# KiCad board Wrap030-ITX.kicad_pcb (continued)
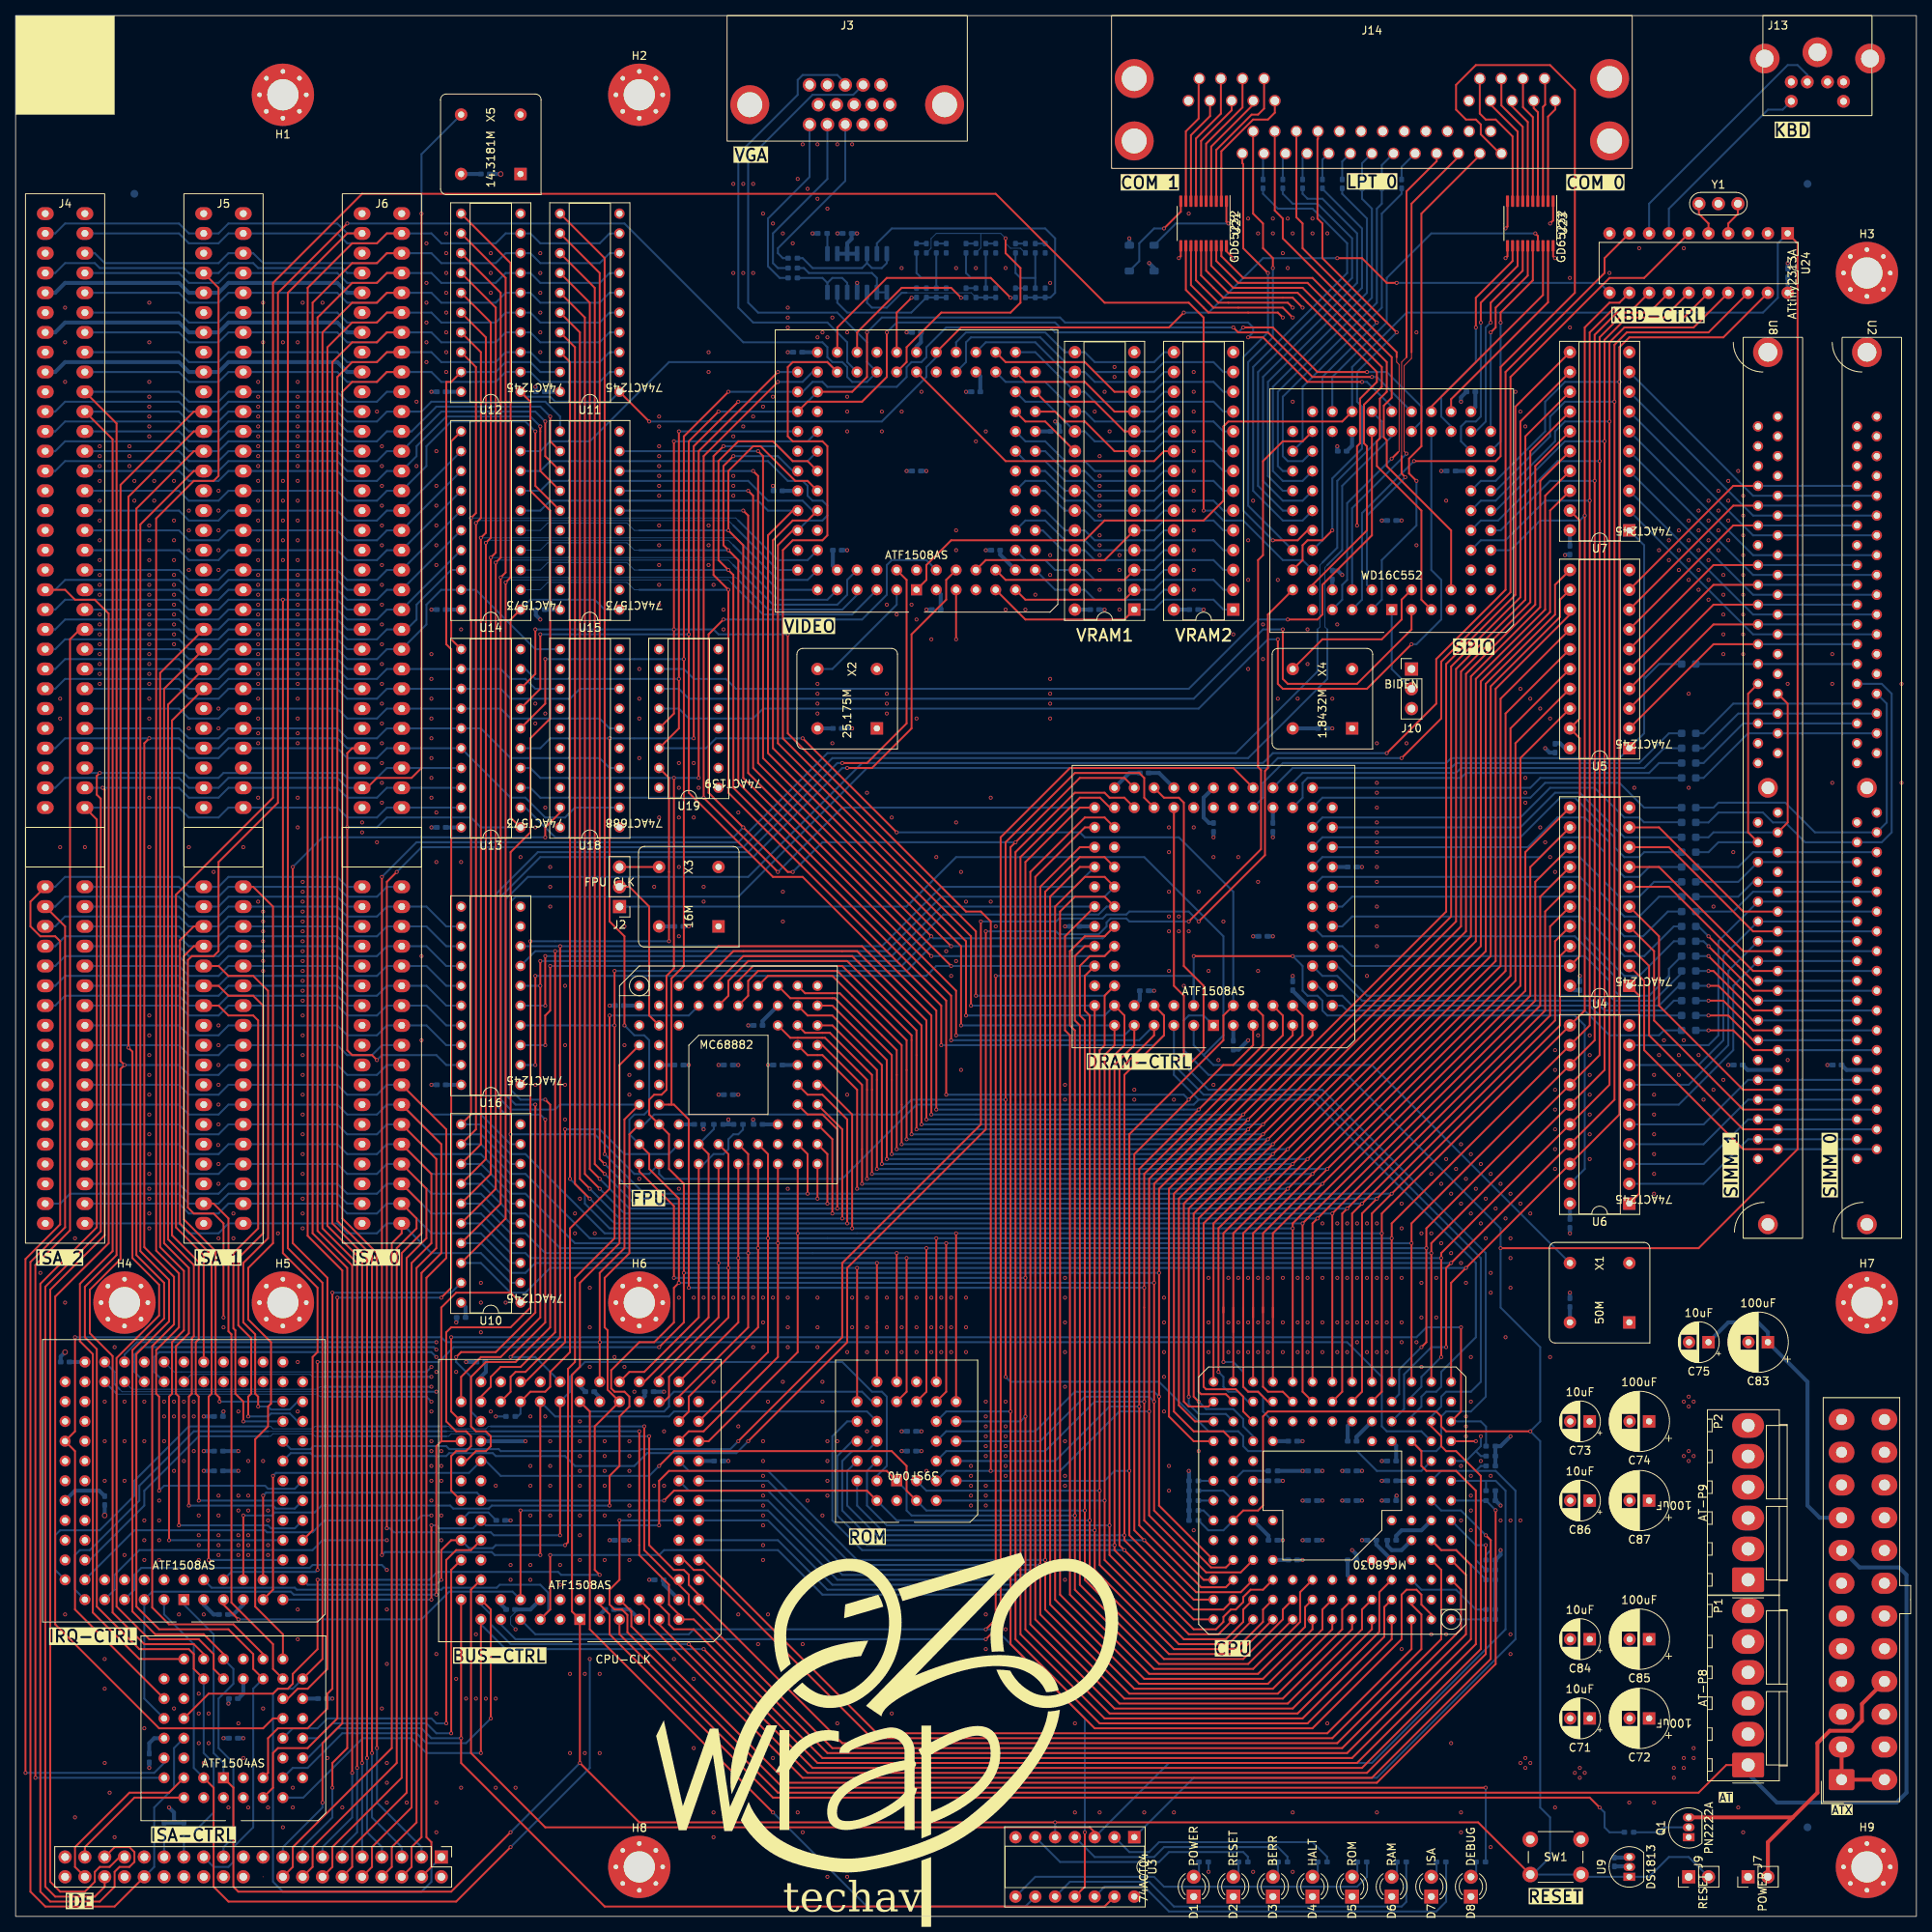
[diagram p0: board, top side]
## Routing (per net, layer and track width the routed paths; a pad name or vN(x,y) marks a point on that pad's centre or on a via; arc(x,y) is an arc through that point) (continued)
/ISA-IDE/ISA-D10: length 162.4
  Top w0.254: IDE0.8 48.26,6.35 48.26,8.89 51.43,12.06 51.43,83.19 53.98,85.72 53.98,97.16 J6.93
  Bottom w0.254: U10.7 63.5,93.98 59.69,97.79 53.34,97.79 J6.93 47.62,101.6 46.35,100.33 42.54,100.33 41.27,101.6 J5.93 27.3,101.6 26.03,100.33 22.23,100.33 20.95,101.6 J4.93
/ISA-IDE/ISA-D11: length 160.4
  Top w0.254: J6.94 53.34,95.25 53.34,86.36 50.8,83.82 50.8,13.97 45.72,8.89 45.72,6.35 IDE0.10
  Bottom w0.254: U10.6 63.5,91.44 59.69,95.25 53.34,95.25 J6.94 47.62,99.06 46.35,97.79 42.54,97.79 41.27,99.06 J5.94 27.3,99.06 26.03,97.79 22.23,97.79 20.95,99.06 J4.94
/ISA-IDE/ISA-D12: length 158.4
  Top w0.254: IDE0.12 43.18,6.35 43.18,8.89 50.16,15.88 50.16,84.46 52.71,87 52.71,93.34 J6.95
  Bottom w0.254: U10.5 63.5,88.9 59.69,92.71 53.34,92.71 J6.95 47.62,96.52 46.35,95.25 42.54,95.25 41.27,96.52 J5.95 27.3,96.52 26.03,95.25 22.23,95.25 20.95,96.52 J4.95
/ISA-IDE/ISA-D13: length 156.4
  Top w0.254: IDE0.14 40.64,6.35 40.64,8.89 49.53,17.78 49.53,85.09 52.07,87.63 52.07,91.44 J6.96
  Bottom w0.254: U10.4 63.5,86.36 59.69,90.17 53.34,90.17 J6.96 47.62,93.98 46.35,92.71 42.54,92.71 41.27,93.98 J5.96 27.3,93.98 26.03,92.71 22.23,92.71 20.95,93.98 J4.96
/ISA-IDE/ISA-D14: length 154.3
  Top w0.254: J6.97 51.43,89.53 51.43,88.27 48.9,85.72 48.9,19.69 38.1,8.89 38.1,6.35 IDE0.16
  Bottom w0.254: U10.3 63.5,83.82 59.69,87.63 53.34,87.63 J6.97 47.62,91.44 46.35,90.17 42.54,90.17 41.27,91.44 J5.97 27.3,91.44 26.03,90.17 22.23,90.17 20.95,91.44 J4.97
/ISA-IDE/ISA-D15: length 151.3
  Top w0.254: IDE0.18 35.56,6.35 35.56,8.89 48.26,21.59 48.26,86.36 49.53,87.63 J6.98
  Bottom w0.254: U10.2 63.5,81.28 59.69,85.09 53.34,85.09 J6.98 47.62,88.9 46.35,87.63 42.54,87.63 41.27,88.9 J5.98 27.3,88.9 26.03,87.63 22.23,87.63 20.95,88.9 J4.98
/ISA-IDE/ISA-IDE-Connectors/~{IDE-DMACK}: length 2.9
  Bottom w0.254: IDE0.29 19.05,10.52
/ISA-IDE/ISA-IORDY: length 247
  Top w0.254: J4.41 12.95,191.52 12.95,84.84 8.89,80.77 8.89,74.3 10.41,72.77 10.41,39.75 15.88,34.29 22.23,34.29 22.86,33.66 22.86,31.75 U17.27
  Bottom w0.254: J4.41 20.95,195.58 22.23,194.31 26.03,194.31 27.3,195.58 J5.41 41.27,195.58 42.54,194.31 46.35,194.31 47.62,195.58 J6.41 ; U17.27 24.13,20.96 25.4,19.69 25.4,13.34 22.9,10.83 R1.2 IDE0.27
/ISA-IDE/ISA-LA17: length 51.4
  Bottom w0.254: U16.18 55.24,111.76 52.71,114.3 J6.88 47.62,114.3 46.35,113.03 42.54,113.03 41.27,114.3 J5.88 27.3,114.3 26.03,113.03 22.23,113.03 20.95,114.3 J4.88
/ISA-IDE/ISA-LA18: length 51.4
  Bottom w0.254: J4.87 20.95,116.84 22.23,115.57 26.03,115.57 27.3,116.84 J5.87 41.27,116.84 42.54,115.57 46.35,115.57 47.62,116.84 J6.87 52.71,116.84 55.24,114.3 U16.17
/ISA-IDE/ISA-LA19: length 51.4
  Bottom w0.254: U16.16 55.24,116.84 52.71,119.38 J6.86 47.62,119.38 46.35,118.11 42.54,118.11 41.27,119.38 J5.86 27.3,119.38 26.03,118.11 22.23,118.11 20.95,119.38 J4.86
/ISA-IDE/ISA-LA20: length 51.4
  Bottom w0.254: U16.15 55.24,119.38 52.71,121.92 J6.85 47.62,121.92 46.35,120.65 42.54,120.65 41.27,121.92 J5.85 27.3,121.92 26.03,120.65 22.23,120.65 20.95,121.92 J4.85
/ISA-IDE/ISA-LA21: length 51.4
  Bottom w0.254: U16.14 55.24,121.92 52.71,124.46 J6.84 47.62,124.46 46.35,123.19 42.54,123.19 41.27,124.46 J5.84 27.3,124.46 26.03,123.19 22.23,123.19 20.95,124.46 J4.84
/ISA-IDE/ISA-LA22: length 51.4
  Bottom w0.254: U16.13 55.24,124.46 52.71,127 J6.83 47.62,127 46.35,125.73 42.54,125.73 41.27,127 J5.83 27.3,127 26.03,125.73 22.23,125.73 20.95,127 J4.83
/ISA-IDE/ISA-LA23: length 51.4
  Bottom w0.254: U16.12 55.24,127 52.71,129.54 J6.82 47.62,129.54 46.35,128.27 42.54,128.27 41.27,129.54 J5.82 27.3,129.54 26.03,128.27 22.23,128.27 20.95,129.54 J4.82
/ISA-IDE/ISA-MASTER: length 108.7
  Top w0.254: J5.79 25.4,91.44 27.3,89.53 27.3,75.06 27.69,74.68 27.69,40.26 33.02,34.93 33.02,31.75 U17.19
  Bottom w0.254: J4.79 5.71,91.44 6.98,92.71 20.95,92.71 22.23,91.44 J5.79 26.03,91.44 27.3,92.71 41.27,92.71 42.54,91.44 J6.79
/ISA-IDE/ISA-OSC: length 137.3
  Top w0.254: v1(52.07,218.44) 52.07,147.32 50.8,146.05 46.35,146.05 45.09,144.78 J6.30
  Bottom w0.254: J4.30 5.08,144.78 6.35,146.05 20.95,146.05 22.23,144.78 J5.30 26.03,144.78 27.3,146.05 41.27,146.05 42.54,144.78 J6.30 ; X5.5 52.07,226.06 v1(52.07,218.44)
/ISA-IDE/ISA-RESET: length 289.9
  Top w0.254: U17.17 39.37,33.02 39.37,81.28 34.93,85.72 34.93,208.28 42.54,215.9 J6.2
  Bottom w0.254: J6.2 42.54,215.9 41.27,217.17 27.3,217.17 26.03,215.9 J5.2 22.23,215.9 20.95,217.17 6.35,217.17 5.08,215.9 J4.2 ; U17.17 35.56,29.21 33.66,29.21 33.02,28.58 33.02,4.44 34.29,3.18 52.07,3.18 53.34,4.44 53.34,6.35 IDE0.1
/ISA-IDE/ISA-SBHE: length 149
  Top w0.254: J5.81 30.48,132.08 33.02,129.54 33.02,86.36 29.84,83.19 29.84,76.58 32.77,73.66 32.77,65.79 32.38,65.41 32.38,62.87 30.73,61.21 30.73,39.75 34.29,36.19 U17.18
  Bottom w0.254: J4.81 20.95,132.08 22.23,130.81 26.03,130.81 27.3,132.08 J5.81 41.27,132.08 42.54,130.81 46.35,130.81 47.62,132.08 J6.81
/ISA-IDE/~{IDE-CS1}: length 16.6
  Top w0.254: U17.40 15.24,15.24 8.89,8.89 IDE0.37
/ISA-IDE/~{IDE-CS3}: length 22
  Top w0.254: IDE0.38 7.62,6.35 7.62,8.89 14.6,15.88 19.69,15.88 U17.41
/ISA-IDE/~{IDE-CS}: length 150.6
  Top w0.254: v1(35.56,134.62) 35.56,86.36 40.01,81.92 40.01,31.75 37.46,29.21 36.2,29.21 34.93,27.94 U17.16 ; U18.19 69.85,141.61 67.94,139.7 v1(67.94,138.43)
  Bottom w0.254: v1(35.56,134.62) 39.37,138.43 v1(67.94,138.43)
/ISA-IDE/~{ISA-IOCS16}: length 208.9
  Top w0.254: IDE0.32 12.7,1.27 3.81,1.27 1.9,3.18 1.9,83.95 6.35,88.39 6.35,127 J4.64
  Bottom w0.254: J4.64 5.08,129.54 6.35,130.81 20.95,130.81 22.23,129.54 J5.64 26.03,129.54 27.3,130.81 41.27,130.81 42.54,129.54 J6.64 ; U17.36 20.32,21.59 20.32,16.51 17.78,13.97 17.78,6.35 IDE0.32
/ISA-IDE/~{ISA-IOR}: length 246.7
  Top w0.254: U17.21 30.48,31.75 30.48,33.66 27.3,36.83 18.41,36.83 15.49,39.75 15.49,72.14 19.69,76.33 19.69,81.66 16,85.34 16,178.56 22.86,185.42 J5.14
  Bottom w0.254: J4.14 5.08,185.42 6.35,186.69 20.95,186.69 22.23,185.42 J5.14 26.03,185.42 27.3,186.69 41.27,186.69 42.54,185.42 J6.14 ; IDE0.25 25.4,6.35 27.3,6.35 27.94,6.99 27.94,8.89 30.48,11.43 30.48,29.21 U17.21
/ISA-IDE/~{ISA-IOW}: length 241.7
  Top w0.254: U17.24 26.67,33.66 24.13,36.19 17.91,36.19 14.99,39.12 14.99,72.64 19.05,76.71 19.05,81.28 15.49,84.84 15.49,180.59 22.86,187.96 J5.13
  Bottom w0.254: J6.13 42.54,187.96 41.27,189.23 27.3,189.23 26.03,187.96 J5.13 22.23,187.96 20.95,189.23 6.35,189.23 5.08,187.96 J4.13 ; IDE0.23 26.67,8.89 27.94,10.16 27.94,19.69 26.03,21.59 26.03,27.94 27.94,29.84 27.94,31.75 U17.24
/ISA-IDE/~{ISA-MEMCS16}: length 180.7
  Top w0.254: v1(1.27,18.42) 1.27,84.33 5.71,88.77 5.71,125.09 5.08,125.73 3.17,125.73 1.9,127 1.9,130.18 J4.63
  Bottom w0.254: J4.63 5.08,132.08 6.35,133.35 20.95,133.35 22.23,132.08 J5.63 26.03,132.08 27.3,133.35 41.27,133.35 42.54,132.08 J6.63 ; v1(1.27,18.42) 17.78,18.42 19.05,19.69 U17.37
/ISA-IDE/~{ISA-MEMR}: length 263.5
  Top w0.254: J5.12 22.86,190.5 14.48,182.12 v1(14.48,111.44) 14.99,110.93 14.99,84.46 18.41,81.03 18.41,77.09 12.95,71.63 12.95,39.75 17.14,35.56 23.49,35.56 25.4,33.66 25.4,31.75 U17.25
  Bottom w0.254: J4.89 20.95,111.76 22.23,110.49 26.03,110.49 27.3,111.76 J5.89 41.27,111.76 42.54,110.49 45.72,110.49 46.99,111.76 J6.89 ; J4.12 5.08,190.5 6.35,191.77 20.95,191.77 22.23,190.5 J5.12 26.03,190.5 27.3,191.77 41.27,191.77 42.54,190.5 J6.12
/ISA-IDE/~{ISA-MEMW}: length 262.5
  Top w0.254: U17.26 24.13,33.66 22.86,34.93 16.51,34.93 12.45,38.99 12.45,71.88 9.52,74.8 9.52,80.39 13.46,84.33 13.46,108.71 v1(13.97,109.22) 13.46,109.73 13.46,183.64 22.86,193.04 J5.11
  Bottom w0.254: J6.11 42.54,193.04 41.27,194.31 27.3,194.31 26.03,193.04 J5.11 22.23,193.04 20.95,194.31 6.35,194.31 5.08,193.04 J4.11 ; J6.90 47.62,109.22 46.35,107.95 42.54,107.95 41.27,109.22 J5.90 27.3,109.22 26.03,107.95 22.23,107.95 20.95,109.22 J4.90
/ISA-IDE/~{ISA-XFER8}: length 85.2
  Top w0.254: U17.5 32.38,18.42 32.38,22.86 33.66,24.13 37.46,24.13 40.01,26.67 40.01,28.58 40.64,29.21 v1(40.64,80.01)
  Bottom w0.254: v1(40.64,80.01) 55.88,80.01 U10.19
/ISA-IDE/~{ISA-XFER16}: length 218.1
  Top w0.254: v1(41.27,79.38) 41.27,25.4 37.46,21.59 33.66,21.59 33.02,20.96 33.02,16.51 U17.4 ; U12.19 55.88,196.85 55.24,196.85 55.24,163.19 55.88,162.56 55.88,80.65 v1(54.61,79.38)
  Bottom w0.254: U11.19 67.31,198.12 66.04,199.39 62.87,199.39 61.6,198.12 U12.19 ; v1(54.61,79.38) v1(41.27,79.38)
/Keyboard/PS2-CLK: length 24.6
  Bottom w0.254: J13.5 227.76,232.84 226.69,231.78 224.79,231.78 212.09,219.08 U24.7
/Keyboard/PS2-DAT: length 32.9
  Bottom w0.254: J13.1 229.84,236.19 229.87,236.22 228.6,237.49 227.33,237.49 209.55,219.71 U24.8
/Main-Memory/MEM-A0: length 46.6
  Bottom w0.254: RAMC1.12 170.18,116.84 170.81,116.21 201.29,116.21 204.47,113.03 210.82,113.03 211.45,113.67 R31.1
/Main-Memory/MEM-A0R: length 24.3
  Top w0.254: v1(217.17,113.67) 220.34,113.67 222.88,111.12 U8.12
  Bottom w0.254: R31.2 v1(217.17,113.67) ; U8.12 U2.12
/Main-Memory/MEM-A1: length 48.9
  Bottom w0.254: RAMC1.15 167,119.38 168.28,118.11 170.18,118.11 171.45,116.84 201.93,116.84 203.2,115.57 R32.1
/Main-Memory/MEM-A1R: length 22
  Top w0.254: v1(217.17,115.57) 219.71,115.57 222.88,112.4 U8.13
  Bottom w0.254: U8.13 U2.13 ; v1(217.17,115.57) R32.2
/Main-Memory/MEM-A2: length 50.2
  Bottom w0.254: RAMC1.17 167.64,120.65 169.54,120.65 172.72,117.47 202.56,117.47 203.83,116.21 211.45,116.21 212.72,117.47 R33.1
/Main-Memory/MEM-A2R: length 24.8
  Top w0.254: v1(217.17,117.47) 219.07,117.47 222.88,113.67 226.06,113.67
  Bottom w0.254: v1(217.17,117.47) R33.2 ; 238.76,113.67 226.06,113.67
/Main-Memory/MEM-A3: length 48
  Bottom w0.254: RAMC1.16 169.54,121.92 173.35,118.11 203.2,118.11 204.47,116.84 210.82,116.84 213.36,119.38 R34.1
/Main-Memory/MEM-A3R: length 22.5
  Top w0.254: U8.15 222.88,114.94 218.44,119.38 v1(217.17,119.38)
  Bottom w0.254: v1(217.17,119.38) R34.2 ; U8.15 U2.15
/Main-Memory/MEM-A4: length 50.6
  Bottom w0.254: RAMC1.18 170.18,124.46 171.45,123.19 201.29,123.19 204.47,120.02 204.47,118.11 205.1,117.47 210.19,117.47 213.72,121.01 R35.1
/Main-Memory/MEM-A4R: length 25.3
  Top w0.254: v1(217.17,121.28) 217.8,121.28 222.88,116.21 U8.16
  Bottom w0.254: v1(217.17,121.28) R35.2 ; U2.16 U8.16
/Main-Memory/MEM-A5: length 54.8
  Bottom w0.254: RAMC1.21 167.64,125.73 200.03,125.73 205.1,120.65 205.1,118.75 205.74,118.11 209.55,118.11 212.09,120.65 212.09,121.56 R36.1
/Main-Memory/MEM-A5R: length 23
  Top w0.254: U8.17 222.88,117.47 v1(217.17,123.19)
  Bottom w0.254: U8.17 U2.17 ; v1(217.17,123.19) R36.2
/Main-Memory/MEM-A6: length 51.4
  Bottom w0.254: RAMC1.20 170.18,127 171.45,128.27 200.66,128.27 201.29,127.64 201.29,125.73 206.38,120.65 208.28,120.65 212.72,125.09 R37.1
/Main-Memory/MEM-A6R: length 25.8
  Top w0.254: U8.18 222.88,118.75 v1(217.17,124.46)
  Bottom w0.254: U2.18 U8.18 ; v1(217.17,124.46) 216.53,125.09 R37.2
/Main-Memory/MEM-A7: length 50.9
  Bottom w0.254: RAMC1.24 196.85,132.08 198.12,133.35 200.66,133.35 202.56,131.44 202.56,129.54 206.38,125.73 208.78,125.73 211.95,128.91 R39.1
/Main-Memory/MEM-A7R: length 24.3
  Bottom w0.254: U2.28 U8.28 222.88,131.44 220.34,128.91 R39.2
/Main-Memory/MEM-A8: length 55.1
  Bottom w0.254: R41.1 210.19,132.72 208.28,130.81 205.74,130.81 203.83,132.72 203.83,136.53 201.93,138.43 198.12,138.43 195.58,135.89 167.64,135.89 RAMC1.27
/Main-Memory/MEM-A8R: length 21.7
  Bottom w0.254: U2.31 U8.31 220.98,132.72 R41.2
/Main-Memory/MEM-A9: length 51.6
  Bottom w0.254: R42.1 209.55,134.62 208.28,133.35 206.38,133.35 204.47,135.25 204.47,137.8 201.29,140.97 197.8,140.97 193.99,137.16 RAMC1.28
/Main-Memory/MEM-A9R: length 24
  Bottom w0.254: U2.32 U8.32 222.88,136.53 220.98,134.62 R42.2
/Main-Memory/MEM-A10: length 51.6
  Bottom w0.254: RAMC1.22 170.18,129.54 171.45,130.81 201.29,130.81 201.93,130.18 201.93,127.64 206.38,123.19 208.91,123.19 212.72,127 R38.1
/Main-Memory/MEM-A10R: length 23.6
  Top w0.254: v1(217.17,125.73) 222.88,120.02 U8.19
  Bottom w0.254: v1(217.17,125.73) 215.9,127 R38.2 ; U8.19 U2.19
/Main-Memory/MEM-A11: length 54.2
  Bottom w0.254: RAMC1.25 167.64,133.35 195.58,133.35 198.12,135.89 200.66,135.89 203.2,133.35 203.2,131.44 206.38,128.27 208.28,128.27 210.82,130.81 R40.1
/Main-Memory/MEM-A11R: length 21.5
  Bottom w0.254: U2.29 U8.29 222.88,132.72 220.98,130.81 R40.2
/Main-Memory/MEM-D0: length 46.7
  Top w0.254: U8.2 221.61,98.43 208.91,111.12 208.91,120.02 U4.2
  Bottom w0.254: U2.2 U8.2
/Main-Memory/MEM-D1: length 46.7
  Top w0.254: U8.4 221.61,100.97 209.55,113.03 209.55,121.92 U4.3
  Bottom w0.254: U2.4 U8.4
/Main-Memory/MEM-D2: length 46.7
  Top w0.254: U4.4 210.19,123.83 210.19,114.94 221.61,103.5 U8.6
  Bottom w0.254: U2.6 U8.6
/Main-Memory/MEM-D3: length 46.7
  Top w0.254: U4.5 210.82,125.73 210.82,116.84 221.61,106.05 U8.8
  Bottom w0.254: U2.8 U8.8
/Main-Memory/MEM-D4: length 36.2
  Top w0.254: U8.20 222.88,121.28 212.09,132.08 U4.6
  Bottom w0.254: U2.20 U8.20
/Main-Memory/MEM-D5: length 36.2
  Top w0.254: U4.7 210.82,134.62 221.61,123.83 226.06,123.83
  Bottom w0.254: 238.76,123.83 226.06,123.83
/Main-Memory/MEM-D6: length 36.2
  Top w0.254: U4.8 212.09,137.16 222.88,126.37 U8.24
  Bottom w0.254: U2.24 U8.24
/Main-Memory/MEM-D7: length 36.2
  Top w0.254: U8.26 221.61,128.91 210.82,139.7 U4.9
  Bottom w0.254: U2.26 U8.26
/Main-Memory/MEM-D8: length 33.7
  Top w0.254: U5.2 217.8,163.19 U8.49
  Bottom w0.254: U2.49 U8.49
/Main-Memory/MEM-D9: length 33.7
  Top w0.254: U8.51 217.8,165.74 U5.3
  Bottom w0.254: U2.51 U8.51
/Main-Memory/MEM-D10: length 33.7
  Top w0.254: U8.53 217.8,168.28 U5.4
  Bottom w0.254: U2.53 U8.53
/Main-Memory/MEM-D11: length 33.7
  Top w0.254: U8.55 217.8,170.81 U5.5
  Bottom w0.254: U2.55 U8.55
/Main-Memory/MEM-D12: length 33.7
  Top w0.254: U8.57 217.8,173.36 U5.6
  Bottom w0.254: U2.57 U8.57
/Main-Memory/MEM-D13: length 34.7
  Top w0.254: U5.7 220.34,178.44 U8.61
  Bottom w0.254: U8.61 U2.61
/Main-Memory/MEM-D14: length 34.7
  Top w0.254: U8.63 220.34,180.98 U5.8
  Bottom w0.254: U8.63 U2.63
/Main-Memory/MEM-D15: length 34.7
  Top w0.254: U5.9 220.34,183.51 U8.65
  Bottom w0.254: U8.65 U2.65
/Main-Memory/MEM-D16: length 31.6
  Bottom w0.254: U2.3 U8.3 222.25,99.69 216.53,93.98 U6.2
/Main-Memory/MEM-D17: length 31.6
  Bottom w0.254: U2.5 U8.5 222.25,102.24 216.53,96.52 U6.3
/Main-Memory/MEM-D18: length 31.6
  Bottom w0.254: U2.7 U8.7 222.25,104.78 216.53,99.06 U6.4
/Main-Memory/MEM-D19: length 31.6
  Bottom w0.254: U2.9 U8.9 222.25,107.31 216.53,101.6 U6.5
/Main-Memory/MEM-D20: length 41.7
  Bottom w0.254: U6.6 213.36,104.14 220.34,111.12 220.34,119.38 U8.21 U2.21
/Main-Memory/MEM-D21: length 42.4
  Bottom w0.254: U6.7 214.63,106.68 219.71,111.76 219.71,121.28 U8.23 U2.23
/Main-Memory/MEM-D22: length 43.2
  Bottom w0.254: U6.8 215.9,109.22 219.07,112.4 219.07,123.19 U8.25 U2.25
/Main-Memory/MEM-D23: length 43.9
  Bottom w0.254: U6.9 217.17,111.76 218.44,113.03 218.44,125.09 U8.27 U2.27
/Main-Memory/MEM-D24: length 38.3
  Bottom w0.254: U7.2 222.88,164.47 U8.50 U2.50
/Main-Memory/MEM-D25: length 38.3
  Bottom w0.254: 238.76,167 222.88,167 U7.3
/Main-Memory/MEM-D26: length 38.3
  Bottom w0.254: U7.4 222.88,169.55 U8.54 U2.54
/Main-Memory/MEM-D27: length 38.3
  Bottom w0.254: U7.5 222.88,172.09 U8.56 U2.56
/Main-Memory/MEM-D28: length 38.3
  Bottom w0.254: U2.58 U8.58 222.88,174.62 U7.6
/Main-Memory/MEM-D29: length 38.3
  Bottom w0.254: U7.7 222.88,177.17 238.76,177.17
/Main-Memory/MEM-D30: length 38.3
  Bottom w0.254: U7.8 222.88,179.71 238.76,179.71
/Main-Memory/MEM-D31: length 38.3
  Bottom w0.254: U7.9 222.88,182.25 U8.64 U2.64
/Main-Memory/~{MEM-CAS0R}: length 25.6
  Bottom w0.254: R48.2 216.53,146.05 222.25,151.76 U8.40 U2.40
/Main-Memory/~{MEM-CAS0}: length 52.4
  Bottom w0.254: R50.1 211.45,149.86 208.91,147.32 185.42,147.32 184.78,146.69 165.1,146.69 163.83,145.42 RAMC1.35
/Main-Memory/~{MEM-CAS1R}: length 22.3
  Bottom w0.254: R51.2 216.53,151.76 220.34,155.57 U8.43 U2.43
/Main-Memory/~{MEM-CAS1}: length 55.3
  Bottom w0.254: R51.1 212.09,151.76 208.28,147.96 184.78,147.96 184.15,147.32 163.83,147.32 RAMC1.37
/Main-Memory/~{MEM-CAS2R}: length 22.8
  Bottom w0.254: U2.41 U8.41 221.61,153.04 216.53,147.96 R49.2
/Main-Memory/~{MEM-CAS2}: length 47.9
  Bottom w0.254: RAMC1.33 194.31,144.78 195.58,146.05 R48.1
/Main-Memory/~{MEM-CAS3R}: length 25.1
  Bottom w0.254: R50.2 216.53,149.86 220.98,154.31 U8.42 U2.42
/Main-Memory/~{MEM-CAS3}: length 53.4
  Bottom w0.254: R49.1 210.82,147.96 209.55,146.69 186.05,146.69 185.42,146.05 165.73,146.05 165.1,145.42 165.1,143.51 RAMC1.36
/Main-Memory/~{MEM-RAS0R}: length 43.9
  Bottom w0.254: 238.76,156.85 240.03,155.57 240.03,140.34 238.76,139.06 230.82,139.06 227.01,142.88 218.44,142.88 217.8,142.24 R46.2
/Main-Memory/~{MEM-RAS0}: length 50
  Bottom w0.254: RAMC1.34 167.64,143.51 194.31,143.51 196.22,145.42 205.74,145.42 208.91,142.24 R46.1
/Main-Memory/~{MEM-RAS1R}: length 50.5
  Bottom w0.254: U2.45 239.4,158.12 240.66,156.85 240.66,139.06 239.4,137.8 U2.33 229.55,137.8 227.01,140.34 225.42,140.34 224.16,141.61 218.44,141.61 217.17,140.34 R45.2
/Main-Memory/~{MEM-RAS1}: length 51.3
  Bottom w0.254: R45.1 213.69,140.36 208.89,140.36 208.28,140.97 206.38,140.97 202.56,144.78 196.85,144.78 193.04,140.97 167.64,140.97 RAMC1.31
/Main-Memory/~{MEM-RAS2R}: length 29.6
  Top w0.254: 226.06,156.85 227.33,155.57 227.33,140.34 226.06,139.06
  Bottom w0.254: 226.06,139.06 217.8,139.06 217.17,138.43 R44.2
/Main-Memory/~{MEM-RAS2}: length 49
  Bottom w0.254: R44.1 206.38,138.43 200.66,144.15 197.48,144.15 193.04,139.7 RAMC1.30
/Main-Memory/~{MEM-RAS3R}: length 29.9
  Top w0.254: U8.33 222.25,139.06 222.25,156.85 U8.45
  Bottom w0.254: R43.2 217.17,136.53 218.44,137.8 U8.33
/Main-Memory/~{MEM-RAS3}: length 54.1
  Bottom w0.254: R43.1 208.91,136.53 208.28,135.89 206.38,135.89 205.1,137.16 205.1,138.43 200.03,143.51 198.12,143.51 193.04,138.43 167.64,138.43 RAMC1.29
/Main-Memory/~{MEM-WER}: length 20.7
  Bottom w0.254: R47.2 U8.47 U2.47
/Main-Memory/~{MEM-WE}: length 149.7
  Top w0.254: U4.1 208.28,118.11 208.28,92.71 U6.1
  In1.Cu w0.254: U5.1 210.19,146.69 210.19,122.56 U4.1
  Bottom w0.254: R47.1 210.82,160.66 208.91,158.75 ; 208.91,158.75 208.91,151.76 U5.1 205.74,148.59 184.15,148.59 183.51,147.96 162.56,147.96 160.02,145.42 160.02,143.51 RAMC1.40 ; 208.91,158.75 208.91,175.9 U7.1
/Power-Supply/PWR_ON_R: length 7.3
  Bottom w0.254: Q1.2 211.45,11.43 210.82,10.8 R4.2
/Power-Supply/~{PWR_ON}: length 46.3
  Top w0.508: 227.97,12.7 231.14,15.88 231.14,22.22 232.73,23.81 235.59,23.81 236.85,25.08 236.85,27.25 J8.16 ; 227.97,12.7 224.79,9.53 J7.2 ; 227.97,12.7 Q1.3
/Serial-Parallel-IO/COM0-CTS232: length 16.9
  Top w0.254: 193.33,220.03 193.33,229.58 190.6,232.31 J14.A8
/Serial-Parallel-IO/COM0-DCD232: length 13.3
  Top w0.254: U23.2 196.58,230.88 197.52,231.81 J14.A1
/Serial-Parallel-IO/COM0-DSR232: length 15.9
  Top w0.254: U23.3 195.94,232.13 196.22,232.41 196.22,235.69 J14.A6
/Serial-Parallel-IO/COM0-DTR232: length 14.3
  Top w0.254: U23.8 192.69,228.96 189.21,232.43 J14.A4
/Serial-Parallel-IO/COM0-RI232: length 18.2
  Top w0.254: J14.A9 187.83,231.27 188.59,230.5 189.86,230.5 192.03,228.34 U23.9
/Serial-Parallel-IO/COM0-RTS232: length 16.3
  Top w0.254: U23.5 194.63,230.81 193.37,232.08 J14.A7
/Serial-Parallel-IO/COM0-RX232: length 13.1
  Top w0.254: U23.4 195.28,231.44 194.75,231.97 J14.A2
/Serial-Parallel-IO/COM0-SIN: length 43.2
  Top w0.254: v1(194.94,215.9) 195.28,215.56 U23.17
  Bottom w0.254: v1(194.94,215.9) 181.61,215.9 175.89,210.19 175.89,204.47 168.91,197.49 U20.41
/Serial-Parallel-IO/COM0-SOUT: length 25.8
  Top w0.254: U23.15 193.98,210.5 189.86,206.38 189.86,203.84 v1(189.23,203.2)
  Bottom w0.254: v1(189.23,203.2) U20.26
/Serial-Parallel-IO/COM0-TX232: length 13.7
  Top w0.254: U23.6 193.98,230.19 191.98,232.2 J14.A3
/Serial-Parallel-IO/COM1-CTS232: length 17.1
  Top w0.254: U21.7 151.42,228.07 154.62,231.26 J14.B8
/Serial-Parallel-IO/COM1-DCD232: length 16.8
  Top w0.254: J14.B1 161.54,231.39 160.66,230.5 158.75,230.5 154.67,226.43 154.67,220.03
/Serial-Parallel-IO/COM1-DSR232: length 18.8
  Top w0.254: J14.B6 160.16,231.92 159.38,231.14 158.56,231.14 154.03,226.61 U21.3
/Serial-Parallel-IO/COM1-DTR232: length 13.9
  Top w0.254: U21.8 150.78,228.5 153.23,230.95 J14.B4
/Serial-Parallel-IO/COM1-RI232: length 16.4
  Top w0.254: J14.B9 151.76,235.68 151.76,230.63 150.12,228.99 U21.9
/Serial-Parallel-IO/COM1-RTS232: length 17.7
  Top w0.254: U21.5 152.72,227.4 157.39,232.07 J14.B7
/Serial-Parallel-IO/COM1-RX232: length 15.1
  Top w0.254: U21.4 153.38,227.03 158.77,232.43 J14.B2
/Serial-Parallel-IO/COM1-SIN: length 62.4
  Top w0.254: U20.62 166.37,170.81 173.35,177.8 173.35,188.6 172.97,188.98 172.97,193.93 175.26,196.22 175.26,198.75 165.1,208.92 156.21,208.92 153.38,211.75 U21.17
/Serial-Parallel-IO/COM1-SOUT: length 72.2
  Top w0.254: v1(165.1,206.38) 163.83,207.65 154.94,207.65 152.07,210.51 152.07,214.31
  In1.Cu w0.254: v1(165.1,206.38) 169.54,201.93 169.54,194.18 169.93,193.8 169.93,189.48 170.18,189.23 170.18,176.53 173.35,173.36 184.15,173.36 186.05,171.45 187.96,171.45 U20.10
/Serial-Parallel-IO/COM1-TX232: length 14.5
  Top w0.254: J14.B3 156,231.69 152.07,227.77 152.07,220.03
/Serial-Parallel-IO/PAR-BIDEN: length 11.2
  Bottom w0.254: U20.1 176.53,160.02 J10.2
/Serial-Parallel-IO/PAR-BUSY: length 61.9
  Top w0.127: 179.07,200.66 179.07,199.87 178.12,198.91 178.12,187.96 v1(178.44,187.64)
  Top w0.254: 179.07,200.66 179.07,219.71 185.07,225.71 J14.C11
  Bottom w0.254: v1(178.44,187.64) 171.45,180.66 U20.66
/Serial-Parallel-IO/PAR-D0: length 60.6
  Bottom w0.254: C93.1 160.02,220.98 161.92,219.08 166.37,219.08 170.81,214.63 170.81,210.82 158.75,198.75 158.75,182.88 162.56,179.07 165.1,179.07 U20.53
/Serial-Parallel-IO/PAR-D0-C: length 3.4
  Bottom w0.254: C93.2 160.02,226.04 J14.C2
/Serial-Parallel-IO/PAR-D1: length 54.5
  Bottom w0.254: C94.1 162.56,220.98 163.83,219.71 167,219.71 171.45,215.27 171.45,210.19 159.38,198.12 159.38,183.51 162.56,180.34 U20.52
/Serial-Parallel-IO/PAR-D1-C: length 3.5
  Bottom w0.254: J14.C3 162.56,225.81 C94.2
/Serial-Parallel-IO/PAR-D2: length 54.5
  Bottom w0.254: U20.51 165.1,181.61 162.56,181.61 160.02,184.15 160.02,197.49 172.08,209.55 172.08,215.9 167.64,220.34 165.73,220.34 165.1,220.98 C95.1
/Serial-Parallel-IO/PAR-D2-C: length 3.6
  Bottom w0.254: C95.2 165.1,225.58 J14.C4
/Serial-Parallel-IO/PAR-D3: length 48
  Bottom w0.254: U20.50 162.56,182.88 160.66,184.79 160.66,196.85 172.72,208.92 172.72,216.53 167.64,221.62 C96.1
/Serial-Parallel-IO/PAR-D3-C: length 3.7
  Bottom w0.254: J14.C5 167.64,225.35 C96.2
/Serial-Parallel-IO/PAR-D4: length 48.7
  Bottom w0.254: C97.1 170.18,220.98 173.35,217.81 173.35,208.28 161.29,196.22 161.29,185.42 162.56,184.15 165.1,184.15 U20.49
/Serial-Parallel-IO/PAR-D4-C: length 3.8
  Bottom w0.254: C97.2 170.18,225.12 J14.C6
/Serial-Parallel-IO/PAR-D5: length 43.3
  Bottom w0.254: C98.1 172.72,220.34 173.99,219.08 173.99,207.65 161.92,195.58 161.92,186.06 162.56,185.42 U20.48
/Serial-Parallel-IO/PAR-D5-C: length 3.9
  Bottom w0.254: J14.C7 172.72,224.89 C98.2
/Serial-Parallel-IO/PAR-D6: length 44.2
  Bottom w0.254: C99.1 175.26,219.71 174.62,219.08 174.62,207.01 162.56,194.94 162.56,187.32 163.19,186.69 165.1,186.69 U20.47
/Serial-Parallel-IO/PAR-D6-C: length 4
  Bottom w0.254: C99.2 175.26,224.66 J14.C8
/Serial-Parallel-IO/PAR-D7: length 39.5
  Bottom w0.254: U20.46 165.1,189.23 165.1,196.22 175.26,206.38 175.26,218.44 177.8,220.98 C100.1
/Serial-Parallel-IO/PAR-D7-C: length 4.1
  Bottom w0.254: C100.2 177.8,224.43 J14.C9
/Serial-Parallel-IO/PAR-PE: length 65
  Top w0.254: v1(179.7,184.15) 178.75,185.1 178.75,187.01 180.34,188.6 180.34,218.44 187.84,225.94 J14.C12
  Bottom w0.254: U20.67 175.26,168.91 175.26,173.99 179.7,178.44 v1(179.7,184.15)
/Serial-Parallel-IO/PAR-SLCT: length 114.5
  Top w0.254: v1(179.39,186.69) 189.86,186.69 190.5,187.32 190.5,198.75 200.03,208.28 200.03,234.31 196.85,237.49 187.32,237.49 184.78,234.95 184.78,231.78 186.05,230.5 187.32,230.5 187.96,229.87 187.96,228.6 190.4,226.16 J14.C13 190.6,226.16 190.5,226.06
  Bottom w0.254: U20.65 172.72,168.91 172.72,180.02 v1(179.39,186.69)
/Serial-Parallel-IO/SPIO-CLK: length 20.9
  Top w0.254: X4.5 167.64,163.83 175.26,163.83 177.8,166.37 177.8,168.91 U20.4
/Serial-Parallel-IO/SPIO-VDD: length 57.9
  Top w0.254: v1(155.57,217.17) 155.32,217.42 U21.1 ; v1(196.85,217.17) 197.23,217.56 197.23,220.03
  In1.Cu w0.254: v1(155.57,217.17) v1(196.85,217.17)
  Bottom w0.254: v1(155.57,217.17) 148.84,217.17 D9.1
/Serial-Parallel-IO/SPIO-VSS: length 59.9
  Top w0.254: U23.10 191.38,216.78 v1(191.13,216.53) ; U21.10 149.47,218.69 v1(147.32,216.53)
  In1.Cu w0.254: v1(191.13,216.53) v1(147.32,216.53)
  Bottom w0.254: v1(147.32,216.53) 146.05,216.53 144.14,214.63 144.14,212.34 D10.2
/Serial-Parallel-IO/~{COM0-CTS}: length 26.9
  Top w0.254: 193.33,214.31 193.33,211.12 189.23,207.01 v1(189.23,204.47)
  Bottom w0.254: U20.28 187.32,190.5 188.59,191.77 188.59,203.84 v1(189.23,204.47)
/Serial-Parallel-IO/~{COM0-DCD}: length 26.4
  Top w0.254: U20.29 184.15,194.63 196.58,207.06 U23.19